# Allegro board 8880F5-0824_updates.brd (continued)
## Routing (per net, layer and track width the routed paths; a pad name or vN(x,y) marks a point on that pad's centre or on a via; arc(x,y) is an arc through that point) (continued)
; D306.A8 398.78,66.75 ; D306.A8 399.49,66.04 ; CSDPS225.B4 267.51,332.74 ; CSDPS225.B4 266.7,331.93 ; CSDPS225.B4 266.7,333.55 ; CSDPS225.B4 265.89,332.74 ; DPS3.C01 234.49,19.05 ; DPS3.C01 232.87,19.05 ; DPS3.C01 233.68,18.24 ; DPS3.C01 233.68,19.86 ; 252.15,186.43 SITE3.G20 ; SITE3.G20 253.11,186.43 ; SITE3.G20 252.63,185.95 ; SITE3.G20 252.63,186.91 ; CSDPS429.B8 183.69,342.9 ; CSDPS429.B8 182.88,342.09 ; CSDPS429.B8 182.88,343.71 ; CSDPS429.B8 182.07,342.9 ; 199.85,370.84 D231.B1 ; D231.B1 200.66,371.65 ; D231.B1 201.47,370.84 ; D231.B1 200.66,370.03 ; D231.A14 168.45,373.38 ; D231.A14 167.64,372.57 ; D231.A14 166.83,373.38 ; D231.A14 167.64,374.19 ; 19.51,40.64 D128.B4 ; D128.B4 21.13,40.64 ; D128.B4 20.32,41.45 ; D128.B4 20.32,39.83 ; D118.A8 178.61,76.2 ; D118.A8 176.99,76.2 ; D118.A8 177.8,77.01 ; D118.A8 177.8,75.39 ; D129.B1 87.17,99.06 ; D129.B1 85.55,99.06 ; D129.B1 86.36,98.25 ; D129.B1 86.36,99.87 ; 481.55,171.51 UNK4U2.4 ; UNK4U2.4 483.43,171.51 ; UNK4U2.4 482.49,170.56 ; UNK4U2.4 482.49,172.45 ; 314.15,388.62 D116.B14 ; D116.B14 314.96,387.81 ; D116.B14 315.77,388.62 ; D116.B14 314.96,389.43 ; 238.76,329.39 CSDPS225.C15 ; CSDPS225.C15 238.76,331.01 ; CSDPS225.C15 239.57,330.2 ; CSDPS225.C15 237.95,330.2 ; D302.A7 323.29,63.5 ; D302.A7 322.58,64.21 ; D302.A7 321.87,63.5 ; D302.A7 322.58,62.79 ; 185.42,77.93 D118.B11 ; D118.B11 185.42,79.55 ; D118.B11 184.61,78.74 ; D118.B11 186.23,78.74 ; D129.A9 106.68,94.79 ; D129.A9 107.49,93.98 ; D129.A9 106.68,93.17 ; D129.A9 105.87,93.98 ; SITE2.G5 332.33,241.81 ; SITE2.G5 332.81,241.33 ; SITE2.G5 332.33,240.85 ; SITE2.G5 331.85,241.33 ; 250.33,180.85 SITE3.G3 ; SITE3.G3 249.85,181.33 ; SITE3.G3 250.33,181.81 ; SITE3.G3 250.81,181.33 ; 194.87,63.5 D318.A15 ; D318.A15 195.58,64.21 ; D318.A15 195.58,62.79 ; D318.A15 196.29,63.5 ; 184.71,83.82 D317.A11 ; D317.A11 185.42,84.53 ; D317.A11 185.42,83.11 ; D317.A11 186.13,83.82 ; 162.56,80.47 D118.B2 ; D118.B2 163.37,81.28 ; D118.B2 161.75,81.28 ; D118.B2 162.56,82.09 ; 324.31,327.66 D113.B10 ; D113.B10 325.12,326.85 ; D113.B10 325.93,327.66 ; D113.B10 325.12,328.47 ; 91.44,57.61 D131.B3 ; D131.B3 92.25,58.42 ; D131.B3 90.63,58.42 ; D131.B3 91.44,59.23 ; 19.51,35.56 D128.A4 ; D128.A4 20.32,34.75 ; D128.A4 21.13,35.56 ; D128.A4 20.32,36.37 ; D102.A8 325.93,76.2 ; D102.A8 324.31,76.2 ; D102.A8 325.12,75.39 ; D102.A8 325.12,77.01 ; 321.77,78.74 D102.B7 ; D102.B7 323.39,78.74 ; D102.B7 322.58,79.55 ; D102.B7 322.58,77.93 ; 179.63,68.58 D318.B9 ; D318.B9 181.05,68.58 ; D318.B9 180.34,67.87 ; D318.B9 180.34,69.29 ; 164.29,58.42 D119.B3 ; D119.B3 165.1,57.61 ; D119.B3 165.1,59.23 ; D119.B3 165.91,58.42 ; SITE3.G7 248.33,188.41 ; SITE3.G7 248.33,187.45 ; SITE3.G7 247.85,187.93 ; SITE3.G7 248.81,187.93 ; D321.A1 234.39,83.82 ; D321.A1 233.68,83.11 ; D321.A1 232.97,83.82 ; D321.A1 233.68,84.53 ; 189.69,381 D431.B5 ; D431.B5 190.5,380.19 ; D431.B5 190.5,381.81 ; D431.B5 191.31,381 ; D114.B10 325.12,348.79 ; D114.B10 325.12,347.17 ; D114.B10 325.93,347.98 ; D114.B10 324.31,347.98 ; CSDPS229.C15 165.91,330.2 ; CSDPS229.C15 165.1,331.01 ; CSDPS229.C15 165.1,329.39 ; CSDPS229.C15 164.29,330.2 ; D119.B2 162.56,61.77 ; D119.B2 163.37,60.96 ; D119.B2 161.75,60.96 ; D119.B2 162.56,60.15 ; D301.A9 327.66,84.53 ; D301.A9 326.95,83.82 ; D301.A9 328.37,83.82 ; D301.A9 327.66,83.11 ; 410.67,38.1 D108.B13 ; D108.B13 412.29,38.1 ; D108.B13 411.48,37.29 ; D108.B13 411.48,38.91 ; D131.B9 106.68,59.23 ; D131.B9 105.87,58.42 ; D131.B9 107.49,58.42 ; D131.B9 106.68,57.61 ; 16.97,58.42 D127.B3 ; D127.B3 17.78,57.61 ; D127.B3 18.59,58.42 ; D127.B3 17.78,59.23 ; 271.78,55.07 D123.A16 ; D123.A16 270.97,55.88 ; D123.A16 272.59,55.88 ; D123.A16 271.78,56.69 ; D114.B2 345.44,348.79 ; D114.B2 345.44,347.17 ; D114.B2 344.63,347.98 ; D114.B2 346.25,347.98 ; 255.83,71.12 D322.B10 ; D322.B10 256.54,70.41 ; D322.B10 257.25,71.12 ; D322.B10 256.54,71.83 ; 93.17,96.52 D129.A4 ; D129.A4 94.79,96.52 ; D129.A4 93.98,95.71 ; D129.A4 93.98,97.33 ; D104.B4 314.96,41.45 ; D104.B4 314.96,39.83 ; D104.B4 315.77,40.64 ; D104.B4 314.15,40.64 ; D130.A13 116.84,74.47 ; D130.A13 116.03,73.66 ; D130.A13 117.65,73.66 ; D130.A13 116.84,72.85 ; D111.B15 386.08,371.65 ; D111.B15 386.08,370.03 ; D111.B15 385.27,370.84 ; D111.B15 386.89,370.84 ; D110.A10 398.78,353.87 ; D110.A10 397.97,353.06 ; D110.A10 398.78,352.25 ; D110.A10 399.59,353.06 ; 344.63,40.64 D104.B16 ; D104.B16 345.44,41.45 ; D104.B16 346.25,40.64 ; D104.B16 345.44,39.83 ; D124.A1 233.68,33.83 ; D124.A1 234.49,33.02 ; D124.A1 232.87,33.02 ; D124.A1 233.68,32.21 ; D126.B9 33.02,79.55 ; D126.B9 32.21,78.74 ; D126.B9 33.02,77.93 ; D126.B9 33.83,78.74 ; 264.16,329.39 CSDPS225.C5 ; CSDPS225.C5 263.35,330.2 ; CSDPS225.C5 264.16,331.01 ; CSDPS225.C5 264.97,330.2 ; SITE1.G3 250.33,241.81 ; SITE1.G3 249.85,241.33 ; SITE1.G3 250.33,240.85 ; SITE1.G3 250.81,241.33 ; D109.B2 419.1,328.47 ; D109.B2 419.1,326.85 ; D109.B2 419.91,327.66 ; D109.B2 418.29,327.66 ; 403.05,368.3 D111.B8 ; D111.B8 404.67,368.3 ; D111.B8 403.86,369.11 ; D111.B8 403.86,367.49 ; 335.28,65.33 D302.A12 ; D302.A12 335.99,66.04 ; D302.A12 335.28,66.75 ; D302.A12 334.57,66.04 ; SITE2.G12 333.33,248.41 ; SITE2.G12 333.33,247.45 ; SITE2.G12 332.85,247.93 ; SITE2.G12 333.81,247.93 ; CSDPS429.C3 195.58,341.17 ; CSDPS429.C3 194.77,340.36 ; CSDPS429.C3 195.58,339.55 ; CSDPS429.C3 196.39,340.36 ; 271.78,39.83 D124.B16 ; D124.B16 270.97,40.64 ; D124.B16 271.78,41.45 ; D124.B16 272.59,40.64 ; D120.B11 185.42,38.91 ; D120.B11 184.61,38.1 ; D120.B11 186.23,38.1 ; D120.B11 185.42,37.29 ; D306.A16 419.1,66.75 ; D306.A16 419.1,65.33 ; D306.A16 419.81,66.04 ; D306.A16 418.39,66.04 ; D318.B4 167.64,71.83 ; D318.B4 168.35,71.12 ; D318.B4 167.64,70.41 ; D318.B4 166.93,71.12 ; D122.A4 241.3,77.01 ; D122.A4 242.11,76.2 ; D122.A4 240.49,76.2 ; D122.A4 241.3,75.39 ; D104.A7 323.39,33.02 ; D104.A7 322.58,32.21 ; D104.A7 322.58,33.83 ; D104.A7 321.77,33.02 ; D128.A9 33.02,33.83 ; D128.A9 33.83,33.02 ; D128.A9 32.21,33.02 ; D128.A9 33.02,32.21 ; D125.A12 40.64,97.33 ; D125.A12 40.64,95.71 ; D125.A12 41.45,96.52 ; D125.A12 39.83,96.52 ; D107.A6 394.51,55.88 ; D107.A6 393.7,55.07 ; D107.A6 393.7,56.69 ; D107.A6 392.89,55.88 ; 419.1,90.73 D305.B16 ; D305.B16 419.1,92.15 ; D305.B16 418.39,91.44 ; D305.B16 419.81,91.44 ; D322.B11 259.08,69.29 ; D322.B11 258.37,68.58 ; D322.B11 259.79,68.58 ; D322.B11 259.08,67.87 ; 396.24,83.11 D305.A7 ; D305.A7 396.24,84.53 ; D305.A7 395.53,83.82 ; D305.A7 396.95,83.82 ; 330.2,85.65 D301.A10 ; D301.A10 329.49,86.36 ; D301.A10 330.2,87.07 ; D301.A10 330.91,86.36 ; 114.3,80.47 D130.B12 ; D130.B12 115.11,81.28 ; D130.B12 114.3,82.09 ; D130.B12 113.49,81.28 ; 245.67,66.04 D322.A6 ; D322.A6 246.38,66.75 ; D322.A6 246.38,65.33 ; D322.A6 247.09,66.04 ; D125.B5 22.86,99.87 ; D125.B5 22.05,99.06 ; D125.B5 22.86,98.25 ; D125.B5 23.67,99.06 ; D127.A2 16.05,55.88 ; D127.A2 14.43,55.88 ; D127.A2 15.24,55.07 ; D127.A2 15.24,56.69 ; D107.A10 404.67,55.88 ; D107.A10 403.86,55.07 ; D107.A10 403.86,56.69 ; D107.A10 403.05,55.88 ; D111.A16 384.35,373.38 ; D111.A16 382.73,373.38 ; D111.A16 383.54,374.19 ; D111.A16 383.54,372.57 ; 160.02,385.27 D431.A17 ; D431.A17 160.83,386.08 ; D431.A17 159.21,386.08 ; D431.A17 160.02,386.89 ; 320.04,55.07 D103.A6 ; D103.A6 320.04,56.69 ; D103.A6 320.85,55.88 ; D103.A6 319.23,55.88 ; D123.A6 247.19,55.88 ; D123.A6 246.38,55.07 ; D123.A6 246.38,56.69 ; D123.A6 245.57,55.88 ; D125.A3 17.78,94.79 ; D125.A3 17.78,93.17 ; D125.A3 16.97,93.98 ; D125.A3 18.59,93.98 ; D112.A14 389.43,393.7 ; D112.A14 387.81,393.7 ; D112.A14 388.62,392.89 ; D112.A14 388.62,394.51 ; D114.A13 317.5,356.41 ; D114.A13 317.5,354.79 ; D114.A13 316.69,355.6 ; D114.A13 318.31,355.6 ; D305.A16 419.1,87.07 ; D305.A16 419.1,85.65 ; D305.A16 419.81,86.36 ; D305.A16 418.39,86.36 ; D305.B14 414.02,92.15 ; D305.B14 414.02,90.73 ; D305.B14 414.73,91.44 ; D305.B14 413.31,91.44 ; D128.A1 12.7,33.83 ; D128.A1 11.89,33.02 ; D128.A1 13.51,33.02 ; D128.A1 12.7,32.21 ; 116.03,78.74 D130.B13 ; D130.B13 116.84,77.93 ; D130.B13 116.84,79.55 ; D130.B13 117.65,78.74 ; 179.53,53.34 D119.A9 ; D119.A9 181.15,53.34 ; D119.A9 180.34,52.53 ; D119.A9 180.34,54.15 ; 197.31,40.64 D120.B16 ; D120.B16 198.12,41.45 ; D120.B16 198.93,40.64 ; D120.B16 198.12,39.83 ; D321.B5 244.55,88.9 ; D321.B5 243.84,88.19 ; D321.B5 243.13,88.9 ; D321.B5 243.84,89.61 ; D306.A4 388.62,66.75 ; D306.A4 388.62,65.33 ; D306.A4 389.33,66.04 ; D306.A4 387.91,66.04 ; 345.44,367.49 D115.B2 ; D115.B2 346.25,368.3 ; D115.B2 344.63,368.3 ; D115.B2 345.44,369.11 ; D108.A13 411.48,33.83 ; D108.A13 412.29,33.02 ; D108.A13 410.67,33.02 ; D108.A13 411.48,32.21 ; D129.B2 88.9,102.41 ; D129.B2 88.09,101.6 ; D129.B2 88.9,100.79 ; D129.B2 89.71,101.6 ; 187.96,331.93 CSDPS229.B6 ; CSDPS229.B6 187.15,332.74 ; CSDPS229.B6 188.77,332.74 ; CSDPS229.B6 187.96,333.55 ; D102.B15 342.9,79.55 ; D102.B15 342.09,78.74 ; D102.B15 343.71,78.74 ; D102.B15 342.9,77.93 ; 311.61,391.16 D116.B15 ; D116.B15 313.23,391.16 ; D116.B15 312.42,390.35 ; D116.B15 312.42,391.97 ; 164.29,410.21 DPS8.C15 ; DPS8.C15 165.91,410.21 ; DPS8.C15 165.1,409.4 ; DPS8.C15 165.1,411.02 ; 243.84,52.53 D123.A5 ; D123.A5 243.03,53.34 ; D123.A5 243.84,54.15 ; D123.A5 244.65,53.34 ; 331.43,182.35 SITE4.G15 ; SITE4.G15 330.95,182.83 ; SITE4.G15 331.91,182.83 ; SITE4.G15 331.43,183.31 ; D123.B15 269.24,59.23 ; D123.B15 268.43,58.42 ; D123.B15 269.24,57.61 ; D123.B15 270.05,58.42 ; D106.B9 401.32,79.55 ; D106.B9 400.51,78.74 ; D106.B9 401.32,77.93 ; D106.B9 402.13,78.74 ; D109.A1 421.64,336.09 ; D109.A1 421.64,334.47 ; D109.A1 420.83,335.28 ; D109.A1 422.45,335.28 ; CSDPS425.B16 237.03,342.9 ; CSDPS425.B16 236.22,342.09 ; CSDPS425.B16 236.22,343.71 ; CSDPS425.B16 235.41,342.9 ; SITE4.G9 330.81,187.93 ; SITE4.G9 330.33,187.45 ; SITE4.G9 330.33,188.41 ; SITE4.G9 329.85,187.93 ; 165.1,88.19 D317.B3 ; D317.B3 165.1,89.61 ; D317.B3 164.39,88.9 ; D317.B3 165.81,88.9 ; 169.37,38.1 D120.B5 ; D120.B5 170.18,38.91 ; D120.B5 170.18,37.29 ; D120.B5 170.99,38.1 ; 401.32,370.03 D111.B9 ; D111.B9 400.51,370.84 ; D111.B9 401.32,371.65 ; D111.B9 402.13,370.84 ; D111.A5 412.29,375.92 ; D111.A5 411.48,376.73 ; D111.A5 411.48,375.11 ; D111.A5 410.67,375.92 ; 235.51,91.44 D321.B2 ; D321.B2 236.22,92.15 ; D321.B2 236.22,90.73 ; D321.B2 236.93,91.44 ; D115.A13 318.31,375.92 ; D115.A13 316.69,375.92 ; D115.A13 317.5,375.11 ; D115.A13 317.5,376.73 ; D131.B11 111.76,59.23 ; D131.B11 111.76,57.61 ; D131.B11 110.95,58.42 ; D131.B11 112.57,58.42 ; 307.34,83.11 D301.A1 ; D301.A1 308.05,83.82 ; D301.A1 306.63,83.82 ; D301.A1 307.34,84.53 ; D102.B10 331.01,81.28 ; D102.B10 329.39,81.28 ; D102.B10 330.2,80.47 ; D102.B10 330.2,82.09 ; 35.56,39.83 D128.B10 ; D128.B10 35.56,41.45 ; D128.B10 34.75,40.64 ; D128.B10 36.37,40.64 ; 383.54,34.75 D108.A2 ; D108.A2 382.73,35.56 ; D108.A2 383.54,36.37 ; D108.A2 384.35,35.56 ; D431.B2 198.93,378.46 ; D431.B2 197.31,378.46 ; D431.B2 198.12,377.65 ; D431.B2 198.12,379.27 ; 98.25,81.28 D130.B6 ; D130.B6 99.06,82.09 ; D130.B6 99.87,81.28 ; D130.B6 99.06,80.47 ; 311.61,396.24 D116.A15 ; D116.A15 312.42,395.43 ; D116.A15 313.23,396.24 ; D116.A15 312.42,397.05 ; SITE1.G4 251.33,241.81 ; SITE1.G4 250.85,241.33 ; SITE1.G4 251.81,241.33 ; SITE1.G4 251.33,240.85 ; 395.43,78.74 D106.B7 ; D106.B7 396.24,79.55 ; D106.B7 396.24,77.93 ; D106.B7 397.05,78.74 ; D130.B3 92.25,78.74 ; D130.B3 91.44,77.93 ; D130.B3 90.63,78.74 ; D130.B3 91.44,79.55 ; 160.02,37.29 D120.B1 ; D120.B1 160.83,38.1 ; D120.B1 160.02,38.91 ; D120.B1 159.21,38.1 ; 44.91,40.64 D128.B14 ; D128.B14 45.72,39.83 ; D128.B14 45.72,41.45 ; D128.B14 46.53,40.64 ; 49.99,55.88 D127.A16 ; D127.A16 50.8,56.69 ; D127.A16 50.8,55.07 ; D127.A16 51.61,55.88 ; D321.A2 236.93,86.36 ; D321.A2 235.51,86.36 ; D321.A2 236.22,87.07 ; D321.A2 236.22,85.65 ; 396.24,67.87 D306.B7 ; D306.B7 396.24,69.29 ; D306.B7 396.95,68.58 ; D306.B7 395.53,68.58 ; 387.91,71.12 D306.B4 ; D306.B4 388.62,70.41 ; D306.B4 388.62,71.83 ; D306.B4 389.33,71.12 ; 187.96,377.65 D431.B6 ; D431.B6 188.77,378.46 ; D431.B6 187.15,378.46 ; D431.B6 187.96,379.27 ; D317.B16 198.83,91.44 ; D317.B16 198.12,90.73 ; D317.B16 197.41,91.44 ; D317.B16 198.12,92.15 ; 198.12,367.49 D231.B2 ; D231.B2 198.12,369.11 ; D231.B2 198.93,368.3 ; D231.B2 197.31,368.3 ; 180.34,88.19 D317.B9 ; D317.B9 179.63,88.9 ; D317.B9 180.34,89.61 ; D317.B9 181.05,88.9 ; 380.19,78.74 D106.B1 ; D106.B1 381,77.93 ; D106.B1 381.81,78.74 ; D106.B1 381,79.55 ; D111.B5 412.29,370.84 ; D111.B5 411.48,370.03 ; D111.B5 411.48,371.65 ; D111.B5 410.67,370.84 ; D126.A2 15.24,77.01 ; D126.A2 14.43,76.2 ; D126.A2 16.05,76.2 ; D126.A2 15.24,75.39 ; D107.B13 412.29,58.42 ; D107.B13 411.48,57.61 ; D107.B13 410.67,58.42 ; D107.B13 411.48,59.23 ; 324.41,91.44 D301.B8 ; D301.B8 325.12,92.15 ; D301.B8 325.12,90.73 ; D301.B8 325.83,91.44 ; 180.34,375.11 D231.A9 ; D231.A9 180.34,376.73 ; D231.A9 179.53,375.92 ; D231.A9 181.15,375.92 ; SITE4.G10 331.81,187.93 ; SITE4.G10 331.33,187.45 ; SITE4.G10 330.85,187.93 ; SITE4.G10 331.33,188.41 ; 395.43,391.16 D112.B11 ; D112.B11 396.24,390.35 ; D112.B11 396.24,391.97 ; D112.B11 397.05,391.16 ; 35.56,100.79 D125.B10 ; D125.B10 36.37,101.6 ; D125.B10 35.56,102.41 ; D125.B10 34.75,101.6 ; D102.A7 322.58,74.47 ; D102.A7 323.39,73.66 ; D102.A7 321.77,73.66 ; D102.A7 322.58,72.85 ; 408.94,392.89 D112.A6 ; D112.A6 408.13,393.7 ; D112.A6 408.94,394.51 ; D112.A6 409.75,393.7 ; 111.76,37.29 D132.B11 ; D132.B11 111.76,38.91 ; D132.B11 110.95,38.1 ; D132.B11 112.57,38.1 ; CSDPS425.B8 257.35,342.9 ; CSDPS425.B8 256.54,343.71 ; CSDPS425.B8 255.73,342.9 ; CSDPS425.B8 256.54,342.09 ; D103.A3 313.23,53.34 ; D103.A3 311.61,53.34 ; D103.A3 312.42,52.53 ; D103.A3 312.42,54.15 ; 162.56,331.93 CSDPS229.B16 ; CSDPS229.B16 163.37,332.74 ; CSDPS229.B16 161.75,332.74 ; CSDPS229.B16 162.56,333.55 ; 182.88,55.07 D119.A10 ; D119.A10 182.07,55.88 ; D119.A10 183.69,55.88 ; D119.A10 182.88,56.69 ; 403.05,81.28 D106.B10 ; D106.B10 403.86,80.47 ; D106.B10 404.67,81.28 ; D106.B10 403.86,82.09 ; 258.27,58.42 D123.B11 ; D123.B11 259.08,59.23 ; D123.B11 259.08,57.61 ; D123.B11 259.89,58.42 ; D112.A3 416.56,397.05 ; D112.A3 416.56,395.43 ; D112.A3 415.75,396.24 ; D112.A3 417.37,396.24 ; D118.A13 191.31,73.66 ; D118.A13 189.69,73.66 ; D118.A13 190.5,74.47 ; D118.A13 190.5,72.85 ; 243.84,83.11 D321.A5 ; D321.A5 243.84,84.53 ; D321.A5 244.55,83.82 ; D321.A5 243.13,83.82 ; 88.09,96.52 D129.A2 ; D129.A2 88.9,95.71 ; D129.A2 89.71,96.52 ; D129.A2 88.9,97.33 ; 160.02,370.03 D231.B17 ; D231.B17 160.02,371.65 ; D231.B17 159.21,370.84 ; D231.B17 160.83,370.84 ; 393.7,90.73 D305.B6 ; D305.B6 392.99,91.44 ; D305.B6 394.41,91.44 ; D305.B6 393.7,92.15 ; 340.36,367.49 D115.B4 ; D115.B4 341.17,368.3 ; D115.B4 339.55,368.3 ; D115.B4 340.36,369.11 ; 104.14,80.47 D130.B8 ; D130.B8 104.95,81.28 ; D130.B8 104.14,82.09 ; D130.B8 103.33,81.28 ; D116.A13 317.5,397.05 ; D116.A13 316.69,396.24 ; D116.A13 318.31,396.24 ; D116.A13 317.5,395.43 ; D431.A12 172.72,384.35 ; D431.A12 172.72,382.73 ; D431.A12 173.53,383.54 ; D431.A12 171.91,383.54 ; D109.A6 409.75,332.74 ; D109.A6 408.13,332.74 ; D109.A6 408.94,333.55 ; D109.A6 408.94,331.93 ; D321.B1 234.39,88.9 ; D321.B1 233.68,89.61 ; D321.B1 233.68,88.19 ; D321.B1 232.97,88.9 ; CSDPS229.C9 180.34,331.01 ; CSDPS229.C9 179.53,330.2 ; CSDPS229.C9 180.34,329.39 ; CSDPS229.C9 181.15,330.2 ; 42.37,78.74 D126.B13 ; D126.B13 43.18,79.55 ; D126.B13 43.99,78.74 ; D126.B13 43.18,77.93 ; 316.79,68.58 D302.B5 ; D302.B5 317.5,67.87 ; D302.B5 317.5,69.29 ; D302.B5 318.21,68.58 ; D106.B15 416.56,79.55 ; D106.B15 415.75,78.74 ; D106.B15 416.56,77.93 ; D106.B15 417.37,78.74 ; 104.14,34.75 D132.A8 ; D132.A8 104.14,36.37 ; D132.A8 103.33,35.56 ; D132.A8 104.95,35.56 ; SITE4.G7 328.33,188.41 ; SITE4.G7 327.85,187.93 ; SITE4.G7 328.33,187.45 ; SITE4.G7 328.81,187.93 ; DPS1.C15 416.56,19.86 ; DPS1.C15 417.37,19.05 ; DPS1.C15 415.75,19.05 ; DPS1.C15 416.56,18.24 ; D301.B11 332.74,89.61 ; D301.B11 332.74,88.19 ; D301.B11 332.03,88.9 ; D301.B11 333.45,88.9 ; 34.75,55.88 D127.A10 ; D127.A10 35.56,55.07 ; D127.A10 36.37,55.88 ; D127.A10 35.56,56.69 ; D305.A2 383.54,87.07 ; D305.A2 383.54,85.65 ; D305.A2 382.83,86.36 ; D305.A2 384.25,86.36 ; D110.B2 419.91,347.98 ; D110.B2 418.29,347.98 ; D110.B2 419.1,347.17 ; D110.B2 419.1,348.79 ; D120.A16 198.12,36.37 ; D120.A16 197.31,35.56 ; D120.A16 198.12,34.75 ; D120.A16 198.93,35.56 ; D109.A3 417.37,335.28 ; D109.A3 415.75,335.28 ; D109.A3 416.56,334.47 ; D109.A3 416.56,336.09 ; D118.A12 188.77,76.2 ; D118.A12 187.15,76.2 ; D118.A12 187.96,77.01 ; D118.A12 187.96,75.39 ; 250.85,247.93 SITE1.G10 ; SITE1.G10 251.81,247.93 ; SITE1.G10 251.33,248.41 ; SITE1.G10 251.33,247.45 ; 328.85,247.93 SITE2.G8 ; SITE2.G8 329.81,247.93 ; SITE2.G8 329.33,247.45 ; SITE2.G8 329.33,248.41 ; SITE2.G2 329.33,241.81 ; SITE2.G2 329.81,241.33 ; SITE2.G2 328.85,241.33 ; SITE2.G2 329.33,240.85 ; 243.84,57.61 D123.B5 ; D123.B5 244.65,58.42 ; D123.B5 243.03,58.42 ; D123.B5 243.84,59.23 ; D116.B12 320.85,388.62 ; D116.B12 319.23,388.62 ; D116.B12 320.04,387.81 ; D116.B12 320.04,389.43 ; D131.A13 116.84,54.15 ; D131.A13 116.84,52.53 ; D131.A13 117.65,53.34 ; D131.A13 116.03,53.34 ; 408.13,40.64 D108.B12 ; D108.B12 408.94,41.45 ; D108.B12 409.75,40.64 ; D108.B12 408.94,39.83 ; 386.08,329.39 D109.B15 ; D109.B15 386.89,330.2 ; D109.B15 385.27,330.2 ; D109.B15 386.08,331.01 ; D103.B4 315.77,60.96 ; D103.B4 314.15,60.96 ; D103.B4 314.96,61.77 ; D103.B4 314.96,60.15 ; 331.93,355.6 D114.A7 ; D114.A7 332.74,354.79 ; D114.A7 332.74,356.41 ; D114.A7 333.55,355.6 ; 198.12,331.93 CSDPS229.B2 ; CSDPS229.B2 197.31,332.74 ; CSDPS229.B2 198.93,332.74 ; CSDPS229.B2 198.12,333.55 ; 193.04,65.33 D318.A14 ; D318.A14 192.33,66.04 ; D318.A14 193.04,66.75 ; D318.A14 193.75,66.04 ; D108.B15 417.37,38.1 ; D108.B15 416.56,38.91 ; D108.B15 415.75,38.1 ; D108.B15 416.56,37.29 ; 391.16,354.79 D110.A13 ; D110.A13 391.97,355.6 ; D110.A13 390.35,355.6 ; D110.A13 391.16,356.41 ; 312.42,62.79 D302.A3 ; D302.A3 312.42,64.21 ; D302.A3 311.71,63.5 ; D302.A3 313.13,63.5 ; D317.B2 162.56,92.15 ; D317.B2 161.85,91.44 ; D317.B2 162.56,90.73 ; D317.B2 163.27,91.44 ; D431.B11 175.26,381.81 ; D431.B11 175.26,380.19 ; D431.B11 174.45,381 ; D431.B11 176.07,381 ; D305.B10 403.86,92.15 ; D305.B10 403.86,90.73 ; D305.B10 404.57,91.44 ; D305.B10 403.15,91.44 ; 11.89,53.34 D127.A1 ; D127.A1 12.7,54.15 ; D127.A1 13.51,53.34 ; D127.A1 12.7,52.53 ; 264.16,37.29 D124.B13 ; D124.B13 263.35,38.1 ; D124.B13 264.97,38.1 ; D124.B13 264.16,38.91 ; 109.22,80.47 D130.B10 ; D130.B10 108.41,81.28 ; D130.B10 109.22,82.09 ; D130.B10 110.03,81.28 ; D116.B11 323.39,391.16 ; D116.B11 321.77,391.16 ; D116.B11 322.58,390.35 ; D116.B11 322.58,391.97 ; 342.9,375.11 D115.A3 ; D115.A3 343.71,375.92 ; D115.A3 342.9,376.73 ; D115.A3 342.09,375.92 ; 393.7,34.75 D108.A6 ; D108.A6 392.89,35.56 ; D108.A6 393.7,36.37 ; D108.A6 394.51,35.56 ; D111.B13 391.16,371.65 ; D111.B13 391.97,370.84 ; D111.B13 391.16,370.03 ; D111.B13 390.35,370.84 ; 179.53,386.08 D431.A9 ; D431.A9 180.34,386.89 ; D431.A9 180.34,385.27 ; D431.A9 181.15,386.08 ; D131.A15 121.92,54.15 ; D131.A15 121.11,53.34 ; D131.A15 121.92,52.53 ; D131.A15 122.73,53.34 ; 268.53,83.82 D321.A15 ; D321.A15 269.24,84.53 ; D321.A15 269.95,83.82 ; D321.A15 269.24,83.11 ; D102.A9 327.66,74.47 ; D102.A9 326.85,73.66 ; D102.A9 327.66,72.85 ; D102.A9 328.47,73.66 ; CSDPS225.B12 247.19,332.74 ; CSDPS225.B12 246.38,333.55 ; CSDPS225.B12 246.38,331.93 ; CSDPS225.B12 245.57,332.74 ; D113.B9 328.47,330.2 ; D113.B9 327.66,331.01 ; D113.B9 326.85,330.2 ; D113.B9 327.66,329.39 ; D123.A8 251.46,56.69 ; D123.A8 252.27,55.88 ; D123.A8 251.46,55.07 ; D123.A8 250.65,55.88 ; 334.47,393.7 D116.A6 ; D116.A6 336.09,393.7 ; D116.A6 335.28,392.89 ; D116.A6 335.28,394.51 ; D112.A12 393.7,394.51 ; D112.A12 393.7,392.89 ; D112.A12 394.51,393.7 ; D112.A12 392.89,393.7 ; D111.A3 417.37,375.92 ; D111.A3 415.75,375.92 ; D111.A3 416.56,375.11 ; D111.A3 416.56,376.73 ; 37.29,78.74 D126.B11 ; D126.B11 38.91,78.74 ; D126.B11 38.1,79.55 ; D126.B11 38.1,77.93 ; D318.B16 198.83,71.12 ; D318.B16 197.41,71.12 ; D318.B16 198.12,70.41 ; D318.B16 198.12,71.83 ; D104.A15 343.71,33.02 ; D104.A15 342.09,33.02 ; D104.A15 342.9,33.83 ; D104.A15 342.9,32.21 ; D125.A15 49.07,93.98 ; D125.A15 47.45,93.98 ; D125.A15 48.26,93.17 ; D125.A15 48.26,94.79 ; D431.A16 163.37,383.54 ; D431.A16 162.56,382.73 ; D431.A16 162.56,384.35 ; D431.A16 161.75,383.54 ; D131.A4 93.98,56.69 ; D131.A4 93.17,55.88 ; D131.A4 94.79,55.88 ; D131.A4 93.98,55.07 ; D306.B16 419.1,71.83 ; D306.B16 419.81,71.12 ; D306.B16 419.1,70.41 ; D306.B16 418.39,71.12 ; 319.23,327.66 D113.B12 ; D113.B12 320.04,326.85 ; D113.B12 320.04,328.47 ; D113.B12 320.85,327.66 ; D131.B12 115.11,60.96 ; D131.B12 113.49,60.96 ; D131.B12 114.3,61.77 ; D131.B12 114.3,60.15 ; D126.A7 27.94,74.47 ; D126.A7 27.94,72.85 ; D126.A7 28.75,73.66 ; D126.A7 27.13,73.66 ; D124.B6 246.38,41.45 ; D124.B6 246.38,39.83 ; D124.B6 247.19,40.64 ; D124.B6 245.57,40.64 ; 319.23,332.74 D113.A12 ; D113.A12 320.85,332.74 ; D113.A12 320.04,333.55 ; D113.A12 320.04,331.93 ; D132.B7 101.6,38.91 ; D132.B7 101.6,37.29 ; D132.B7 102.41,38.1 ; D132.B7 100.79,38.1 ; 11.89,78.74 D126.B1 ; D126.B1 12.7,79.55 ; D126.B1 13.51,78.74 ; D126.B1 12.7,77.93 ; D103.A4 315.77,55.88 ; D103.A4 314.96,55.07 ; D103.A4 314.96,56.69 ; D103.A4 314.15,55.88 ; 241.3,331.93 CSDPS225.B14 ; CSDPS225.B14 240.49,332.74 ; CSDPS225.B14 241.3,333.55 ; CSDPS225.B14 242.11,332.74 ; 327.66,395.43 D116.A9 ; D116.A9 327.66,397.05 ; D116.A9 328.47,396.24 ; D116.A9 326.85,396.24 ; D306.B11 407.11,68.58 ; D306.B11 406.4,69.29 ; D306.B11 406.4,67.87 ; D306.B11 405.69,68.58 ; 385.27,375.92 D111.A15 ; D111.A15 386.08,376.73 ; D111.A15 386.89,375.92 ; D111.A15 386.08,375.11 ; 192.23,383.54 D431.A4 ; D431.A4 193.04,382.73 ; D431.A4 193.85,383.54 ; D431.A4 193.04,384.35 ; D114.B4 340.36,348.79 ; D114.B4 339.55,347.98 ; D114.B4 340.36,347.17 ; D114.B4 341.17,347.98 ; D127.B7 27.94,59.23 ; D127.B7 28.75,58.42 ; D127.B7 27.13,58.42 ; D127.B7 27.94,57.61 ; 175.26,52.53 D119.A7 ; D119.A7 174.45,53.34 ; D119.A7 175.26,54.15 ; D119.A7 176.07,53.34 ; 166.83,378.46 D431.B14 ; D431.B14 167.64,377.65 ; D431.B14 167.64,379.27 ; D431.B14 168.45,378.46 ; 415.85,88.9 D305.B15 ; D305.B15 416.56,88.19 ; D305.B15 416.56,89.61 ; D305.B15 417.27,88.9 ; D302.B13 338.53,68.58 ; D302.B13 337.11,68.58 ; D302.B13 337.82,67.87 ; D302.B13 337.82,69.29 ; D318.A9 181.05,63.5 ; D318.A9 179.63,63.5 ; D318.A9 180.34,62.79 ; D318.A9 180.34,64.21 ; 232.97,68.58 D322.B1 ; D322.B1 233.68,69.29 ; D322.B1 233.68,67.87 ; D322.B1 234.39,68.58 ; D123.A4 242.11,55.88 ; D123.A4 241.3,56.69 ; D123.A4 240.49,55.88 ; D123.A4 241.3,55.07 ; 263.35,53.34 D123.A13 ; D123.A13 264.97,53.34 ; D123.A13 264.16,54.15 ; D123.A13 264.16,52.53 ; 161.75,378.46 D431.B16 ; D431.B16 162.56,379.27 ; D431.B16 163.37,378.46 ; D431.B16 162.56,377.65 ; 337.11,88.9 D301.B13 ; D301.B13 337.82,88.19 ; D301.B13 338.53,88.9 ; D301.B13 337.82,89.61 ; D110.B3 416.56,351.33 ; D110.B3 416.56,349.71 ; D110.B3 415.75,350.52 ; D110.B3 417.37,350.52 ; 251.33,180.85 SITE3.G4 ; SITE3.G4 251.33,181.81 ; SITE3.G4 251.81,181.33 ; SITE3.G4 250.85,181.33 ; D124.B5 243.84,38.91 ; D124.B5 243.03,38.1 ; D124.B5 244.65,38.1 ; D124.B5 243.84,37.29 ; DPS1.A11 407.21,13.97 ; DPS1.A11 406.4,14.78 ; DPS1.A11 406.4,13.16 ; DPS1.A11 405.59,13.97 ; 418.29,388.62 D112.B2 ; D112.B2 419.91,388.62 ; D112.B2 419.1,387.81 ; D112.B2 419.1,389.43 ; D115.B9 328.47,370.84 ; D115.B9 326.85,370.84 ; D115.B9 327.66,370.03 ; D115.B9 327.66,371.65 ; CSDPS229.C1 200.66,331.01 ; CSDPS229.C1 200.66,329.39 ; CSDPS229.C1 201.47,330.2 ; CSDPS229.C1 199.85,330.2 ; 261.62,70.41 D322.B12 ; D322.B12 260.91,71.12 ; D322.B12 261.62,71.83 ; D322.B12 262.33,71.12 ; D107.B2 383.54,61.77 ; D107.B2 382.73,60.96 ; D107.B2 384.35,60.96 ; D107.B2 383.54,60.15 ; 393.7,39.83 D108.B6 ; D108.B6 392.89,40.64 ; D108.B6 393.7,41.45 ; D108.B6 394.51,40.64 ; 44.91,35.56 D128.A14 ; D128.A14 45.72,36.37 ; D128.A14 45.72,34.75 ; D128.A14 46.53,35.56 ; 238.05,83.82 D321.A3 ; D321.A3 239.47,83.82 ; D321.A3 238.76,84.53 ; D321.A3 238.76,83.11 ; 266.7,39.83 D124.B14 ; D124.B14 265.89,40.64 ; D124.B14 267.51,40.64 ; D124.B14 266.7,41.45 ; 238.76,339.55 CSDPS425.C15 ; CSDPS425.C15 239.57,340.36 ; CSDPS425.C15 238.76,341.17 ; CSDPS425.C15 237.95,340.36 ; 388.62,331.93 D109.A14 ; D109.A14 387.81,332.74 ; D109.A14 389.43,332.74 ; 345.44,372.57 D115.A2 ; D115.A2 345.44,374.19 ; D115.A2 346.25,373.38 ; D115.A2 344.63,373.38 ; 345.44,70.41 D302.B16 ; D302.B16 346.15,71.12 ; D302.B16 344.73,71.12 ; D302.B16 345.44,71.83 ; 391.16,83.11 D305.A5 ; D305.A5 390.45,83.82 ; D305.A5 391.16,84.53 ; D305.A5 391.87,83.82 ; 405.59,38.1 D108.B11 ; D108.B11 406.4,38.91 ; D108.B11 406.4,37.29 ; D108.B11 407.21,38.1 ; 243.84,339.55 CSDPS425.C13 ; CSDPS425.C13 243.03,340.36 ; CSDPS425.C13 243.84,341.17 ; CSDPS425.C13 244.65,340.36 ; D231.A16 163.37,373.38 ; D231.A16 162.56,374.19 ; D231.A16 162.56,372.57 ; D231.A16 161.75,373.38 ; D123.A2 237.03,55.88 ; D123.A2 236.22,56.69 ; D123.A2 236.22,55.07 ; D123.A2 235.41,55.88 ; D112.B9 401.32,391.97 ; D112.B9 401.32,390.35 ; D112.B9 402.13,391.16 ; D112.B9 400.51,391.16 ; D111.B6 409.75,368.3 ; D111.B6 408.13,368.3 ; D111.B6 408.94,367.49 ; D111.B6 408.94,369.11 ; 264.16,83.11 D321.A13 ; D321.A13 264.16,84.53 ; D321.A13 263.45,83.82 ; D321.A13 264.87,83.82 ; D122.B6 247.19,81.28 ; D122.B6 246.38,82.09 ; D122.B6 246.38,80.47 ; D122.B6 245.57,81.28 ; 255.73,40.64 D124.B10 ; D124.B10 256.54,39.83 ; D124.B10 256.54,41.45 ; D124.B10 257.35,40.64 ; 321.77,58.42 D103.B7 ; D103.B7 322.58,59.23 ; D103.B7 323.39,58.42 ; D103.B7 322.58,57.61 ; D103.B6 320.04,61.77 ; D103.B6 320.85,60.96 ; D103.B6 320.04,60.15 ; D103.B6 319.23,60.96 ; DPS1.C05 391.16,19.86 ; DPS1.C05 391.16,18.24 ; DPS1.C05 390.35,19.05 ; DPS1.C05 391.97,19.05 ; D115.A1 348.79,375.92 ; D115.A1 347.98,375.11 ; D115.A1 347.98,376.73 ; D115.A1 347.17,375.92 ; SITE1.G5 252.81,241.33 ; SITE1.G5 252.33,240.85 ; SITE1.G5 252.33,241.81 ; SITE1.G5 251.85,241.33 ; 180.34,370.03 D231.B9 ; D231.B9 179.53,370.84 ; D231.B9 181.15,370.84 ; D231.B9 180.34,371.65 ; D110.A8 403.86,353.87 ; D110.A8 403.05,353.06 ; D110.A8 403.86,352.25 ; D110.A8 404.67,353.06 ; D111.A2 419.1,374.19 ; D111.A2 419.91,373.38 ; D111.A2 418.29,373.38 ; D111.A2 419.1,372.57 ; D109.A11 396.24,336.09 ; D109.A11 397.05,335.28 ; D109.A11 396.24,334.47 ; D109.A11 395.43,335.28 ; D115.B10 325.12,369.11 ; D115.B10 325.12,367.49 ; D115.B10 325.93,368.3 ; D115.B10 324.31,368.3 ; 316.69,370.84 D115.B13 ; D115.B13 318.31,370.84 ; D115.B13 317.5,370.03 ; D115.B13 317.5,371.65 ; 339.65,91.44 D301.B14 ; D301.B14 340.36,92.15 ; D301.B14 340.36,90.73 ; D301.B14 341.07,91.44 ; 327.66,32.21 D104.A9 ; D104.A9 326.85,33.02 ; D104.A9 328.47,33.02 ; D104.A9 327.66,33.83 ; 160.02,57.61 D119.B1 ; D119.B1 160.02,59.23 ; D119.B1 160.83,58.42 ; D119.B1 159.21,58.42 ; 200.66,380.19 D431.B1 ; D431.B1 201.47,381 ; D431.B1 200.66,381.81 ; D431.B1 199.85,381 ; D132.A4 93.98,36.37 ; D132.A4 94.79,35.56 ; D132.A4 93.17,35.56 ; D132.A4 93.98,34.75 ; D113.B3 343.71,330.2 ; D113.B3 342.09,330.2 ; D113.B3 342.9,331.01 ; 160.02,375.11 D231.A17 ; D231.A17 160.83,375.92 ; D231.A17 159.21,375.92 ; D231.A17 160.02,376.73 ; 93.17,40.64 D132.B4 ; D132.B4 93.98,39.83 ; D132.B4 94.79,40.64 ; D132.B4 93.98,41.45 ; D305.B9 402.03,88.9 ; D305.B9 401.32,89.61 ; D305.B9 400.61,88.9 ; D305.B9 401.32,88.19 ; 98.25,35.56 D132.A6 ; D132.A6 99.06,36.37 ; D132.A6 99.87,35.56 ; D132.A6 99.06,34.75 ; 339.55,81.28 D102.B14 ; D102.B14 340.36,82.09 ; D102.B14 340.36,80.47 ; D102.B14 341.17,81.28 ; D107.A15 417.37,53.34 ; D107.A15 415.75,53.34 ; D107.A15 416.56,54.15 ; D107.A15 416.56,52.53 ; D231.B4 193.04,369.11 ; D231.B4 192.23,368.3 ; D231.B4 193.85,368.3 ; D231.B4 193.04,367.49 ; 182.07,373.38 D231.A8 ; D231.A8 182.88,374.19 ; D231.A8 183.69,373.38 ; D231.A8 182.88,372.57 ; D106.A4 388.62,77.01 ; D106.A4 387.81,76.2 ; D106.A4 389.43,76.2 ; D106.A4 388.62,75.39 ; D129.A5 96.52,94.79 ; D129.A5 96.52,93.17 ; D129.A5 95.71,93.98 ; D129.A5 97.33,93.98 ; D109.B10 399.59,327.66 ; D109.B10 398.78,326.85 ; D109.B10 398.78,328.47 ; D109.B10 397.97,327.66 ; 387.81,55.88 D107.A4 ; D107.A4 389.43,55.88 ; D107.A4 388.62,55.07 ; D107.A4 388.62,56.69 ; D132.B5 97.33,38.1 ; D132.B5 96.52,38.91 ; D132.B5 95.71,38.1 ; D132.B5 96.52,37.29 ; 254,32.21 D124.A9 ; D124.A9 253.19,33.02 ; D124.A9 254,33.83 ; D124.A9 254.81,33.02 ; D106.A9 402.13,73.66 ; D106.A9 401.32,72.85 ; D106.A9 401.32,74.47 ; D106.A9 400.51,73.66 ; D322.B15 269.95,68.58 ; D322.B15 269.24,67.87 ; D322.B15 269.24,69.29 ; D322.B15 268.53,68.58 ; 182.07,368.3 D231.B8 ; D231.B8 183.69,368.3 ; D231.B8 182.88,369.11 ; D231.B8 182.88,367.49 ; 161.75,342.9 CSDPS429.B16 ; CSDPS429.B16 162.56,343.71 ; CSDPS429.B16 163.37,342.9 ; CSDPS429.B16 162.56,342.09 ; 344.63,332.74 D113.A2 ; D113.A2 346.25,332.74 ; D113.A2 345.44,331.93 ; D113.A2 345.44,333.55 ; 309.07,368.3 D115.B16 ; D115.B16 309.88,369.11 ; D115.B16 309.88,367.49 ; D115.B16 310.69,368.3 ; D108.A7 397.05,33.02 ; D108.A7 395.43,33.02 ; D108.A7 396.24,32.21 ; D108.A7 396.24,33.83 ; D118.A11 185.42,74.47 ; D118.A11 185.42,72.85 ; D118.A11 184.61,73.66 ; D118.A11 186.23,73.66 ; D118.A15 195.58,74.47 ; D118.A15 196.39,73.66 ; D118.A15 195.58,72.85 ; D118.A15 194.77,73.66 ; D126.B4 21.13,81.28 ; D126.B4 19.51,81.28 ; D126.B4 20.32,80.47 ; D126.B4 20.32,82.09 ; 30.48,95.71 D125.A8 ; D125.A8 31.29,96.52 ; D125.A8 30.48,97.33 ; D125.A8 29.67,96.52 ; 327.85,181.33 SITE4.G1 ; SITE4.G1 328.33,180.85 ; SITE4.G1 328.33,181.81 ; SITE4.G1 328.81,181.33 ; 307.34,52.53 D103.A1 ; D103.A1 306.53,53.34 ; D103.A1 308.15,53.34 ; D103.A1 307.34,54.15 ; 330.33,247.45 SITE2.G9 ; SITE2.G9 330.81,247.93 ; SITE2.G9 330.33,248.41 ; SITE2.G9 329.85,247.93 ; D104.A12 336.09,35.56 ; D104.A12 335.28,34.75 ; D104.A12 334.47,35.56 ; D104.A12 335.28,36.37 ; 332.03,68.58 D302.B11 ; D302.B11 333.45,68.58 ; D302.B11 332.74,69.29 ; D302.B11 332.74,67.87 ; D127.B15 49.07,58.42 ; D127.B15 47.45,58.42 ; D127.B15 48.26,57.61 ; D127.B15 48.26,59.23 ; D305.B5 391.87,88.9 ; D305.B5 391.16,88.19 ; D305.B5 391.16,89.61 ; D305.B5 390.45,88.9 ; 416.56,62.79 D306.A15 ; D306.A15 417.27,63.5 ; D306.A15 415.85,63.5 ; D306.A15 416.56,64.21 ; 411.48,329.39 D109.B5 ; D109.B5 412.29,330.2 ; D109.B5 411.48,331.01 ; D109.B5 410.67,330.2 ; D128.B1 13.51,38.1 ; D128.B1 12.7,38.91 ; D128.B1 11.89,38.1 ; D128.B1 12.7,37.29 ; 330.85,181.33 SITE4.G4 ; SITE4.G4 331.33,181.81 ; SITE4.G4 331.33,180.85 ; SITE4.G4 331.81,181.33 ; 189.69,78.74 D118.B13 ; D118.B13 191.31,78.74 ; D118.B13 190.5,77.93 ; D118.B13 190.5,79.55 ; 481.65,228.55 UNK2U1.4 ; UNK2U1.4 483.53,228.55 ; UNK2U1.4 482.59,229.49 ; UNK2U1.4 482.59,227.61 ; 187.96,90.73 D317.B12 ; D317.B12 187.25,91.44 ; D317.B12 188.67,91.44 ; D317.B12 187.96,92.15 ; 398.78,392.89 D112.A10 ; D112.A10 399.59,393.7 ; D112.A10 398.78,394.51 ; D112.A10 397.97,393.7 ; 172.72,367.49 D231.B12 ; D231.B12 171.91,368.3 ; D231.B12 173.53,368.3 ; D231.B12 172.72,369.11 ; 263.35,78.74 D122.B13 ; D122.B13 264.97,78.74 ; D122.B13 264.16,79.55 ; D122.B13 264.16,77.93 ; D120.B12 188.77,40.64 ; D120.B12 187.15,40.64 ; D120.B12 187.96,41.45 ; D120.B12 187.96,39.83 ; 322.58,88.19 D301.B7 ; D301.B7 323.29,88.9 ; D301.B7 322.58,89.61 ; D301.B7 321.87,88.9 ; 16.97,73.66 D126.A3 ; D126.A3 18.59,73.66 ; D126.A3 17.78,74.47 ; D126.A3 17.78,72.85 ; D115.B3 343.71,370.84 ; D115.B3 342.09,370.84 ; D115.B3 342.9,371.65 ; D115.B3 342.9,370.03 ; D322.B13 264.87,68.58 ; D322.B13 263.45,68.58 ; D322.B13 264.16,69.29 ; D322.B13 264.16,67.87 ; 172.72,60.15 D119.B6 ; D119.B6 172.72,61.77 ; D119.B6 173.53,60.96 ; D119.B6 171.91,60.96 ; D125.A1 13.51,93.98 ; D125.A1 12.7,93.17 ; D125.A1 11.89,93.98 ; D125.A1 12.7,94.79 ; 187.96,60.15 D119.B12 ; D119.B12 188.77,60.96 ; D119.B12 187.15,60.96 ; D119.B12 187.96,61.77 ; 411.48,67.87 D306.B13 ; D306.B13 412.19,68.58 ; D306.B13 411.48,69.29 ; D306.B13 410.77,68.58 ; 325.12,352.25 D114.A10 ; D114.A10 325.12,353.87 ; D114.A10 325.93,353.06 ; D114.A10 324.31,353.06 ; D113.A5 338.63,335.28 ; D113.A5 337.01,335.28 ; D113.A5 337.82,336.09 ; D113.A5 337.82,334.47 ; 332.03,83.82 D301.A11 ; D301.A11 332.74,84.53 ; D301.A11 333.45,83.82 ; D301.A11 332.74,83.11 ; D110.B15 386.08,351.33 ; D110.B15 386.89,350.52 ; D110.B15 386.08,349.71 ; D110.B15 385.27,350.52 ; 386.08,83.11 D305.A3 ; D305.A3 386.79,83.82 ; D305.A3 386.08,84.53 ; D305.A3 385.37,83.82 ; 49.99,96.52 D125.A16 ; D125.A16 51.61,96.52 ; D125.A16 50.8,97.33 ; D125.A16 50.8,95.71 ; D302.A15 343.61,63.5 ; D302.A15 342.9,62.79 ; D302.A15 342.19,63.5 ; D302.A15 342.9,64.21 ; D111.B10 398.78,369.11 ; D111.B10 398.78,367.49 ; D111.B10 399.59,368.3 ; D111.B10 397.97,368.3 ; 260.81,40.64 D124.B12 ; D124.B12 262.43,40.64 ; D124.B12 261.62,41.45 ; D124.B12 261.62,39.83 ; D322.B3 238.76,69.29 ; D322.B3 239.47,68.58 ; D322.B3 238.05,68.58 ; D322.B3 238.76,67.87 ; D112.B5 412.29,391.16 ; D112.B5 411.48,391.97 ; D112.B5 410.67,391.16 ; D112.B5 411.48,390.35 ; 246.38,342.09 CSDPS425.B12 ; CSDPS425.B12 245.57,342.9 ; CSDPS425.B12 246.38,343.71 ; CSDPS425.B12 247.19,342.9 ; 347.98,334.47 D113.A1 ; D113.A1 347.98,336.09 ; D113.A1 348.79,335.28 ; D113.A1 347.17,335.28 ; 337.82,354.79 D114.A5 ; D114.A5 338.63,355.6 ; D114.A5 337.01,355.6 ; D114.A5 337.82,356.41 ; 90.63,38.1 D132.B3 ; D132.B3 92.25,38.1 ; D132.B3 91.44,37.29 ; D132.B3 91.44,38.91 ; 421.64,349.71 D110.B1 ; D110.B1 422.45,350.52 ; D110.B1 420.83,350.52 ; D110.B1 421.64,351.33 ; 332.74,37.29 D104.B11 ; D104.B11 331.93,38.1 ; D104.B11 333.55,38.1 ; D104.B11 332.74,38.91 ; D306.B6 394.41,71.12 ; D306.B6 392.99,71.12 ; D306.B6 393.7,71.83 ; D306.B6 393.7,70.41 ; D129.A14 120.19,96.52 ; D129.A14 118.57,96.52 ; D129.A14 119.38,97.33 ; D114.A1 348.79,355.6 ; D114.A1 347.98,356.41 ; D114.A1 347.98,354.79 ; D114.A1 347.17,355.6 ; 406.4,88.19 D305.B11 ; D305.B11 406.4,89.61 ; D305.B11 407.11,88.9 ; D305.B11 405.69,88.9 ; 259.08,83.11 D321.A11 ; D321.A11 258.37,83.82 ; D321.A11 259.79,83.82 ; D321.A11 259.08,84.53 ; D109.B1 422.45,330.2 ; D109.B1 421.64,331.01 ; D109.B1 421.64,329.39 ; D109.B1 420.83,330.2 ; 419.1,34.75 D108.A16 ; D108.A16 418.29,35.56 ; D108.A16 419.1,36.37 ; D108.A16 419.91,35.56 ; D120.B15 195.58,38.91 ; D120.B15 195.58,37.29 ; D120.B15 196.39,38.1 ; D120.B15 194.77,38.1 ; 337.82,37.29 D104.B13 ; D104.B13 338.63,38.1 ; D104.B13 337.82,38.91 ; D104.B13 337.01,38.1 ; D108.A8 399.59,35.56 ; D108.A8 398.78,36.37 ; D108.A8 397.97,35.56 ; D108.A8 398.78,34.75 ; D318.A2 163.27,66.04 ; D318.A2 161.85,66.04 ; D318.A2 162.56,66.75 ; D318.A2 162.56,65.33 ; 380.29,68.58 D306.B1 ; D306.B1 381.71,68.58 ; D306.B1 381,67.87 ; D306.B1 381,69.29 ; SITE1.G19 251.91,246.43 ; SITE1.G19 251.43,245.95 ; SITE1.G19 251.43,246.91 ; SITE1.G19 250.95,246.43 ; SITE2.G13 329.51,242.83 ; SITE2.G13 328.55,242.83 ; SITE2.G13 329.03,242.35 ; SITE2.G13 329.03,243.31 ; 328.55,186.43 SITE4.G17 ; SITE4.G17 329.03,185.95 ; SITE4.G17 329.51,186.43 ; SITE4.G17 329.03,186.91 ; D109.B7 406.4,331.01 ; D109.B7 405.59,330.2 ; D109.B7 407.21,330.2 ; D109.B7 406.4,329.39 ; D110.B6 409.75,347.98 ; D110.B6 408.13,347.98 ; D110.B6 408.94,347.17 ; D110.B6 408.94,348.79 ; D124.A2 236.22,36.37 ; D124.A2 237.03,35.56 ; D124.A2 236.22,34.75 ; D124.A2 235.41,35.56 ; SITE3.G17 249.03,186.91 ; SITE3.G17 248.55,186.43 ; SITE3.G17 249.03,185.95 ; SITE3.G17 249.51,186.43 ; D126.A13 43.99,73.66 ; D126.A13 42.37,73.66 ; D126.A13 43.18,74.47 ; D126.A13 43.18,72.85 ; 314.96,90.73 D301.B4 ; D301.B4 314.25,91.44 ; D301.B4 314.96,92.15 ; D301.B4 315.67,91.44 ; 326.85,375.92 D115.A9 ; D115.A9 327.66,375.11 ; D115.A9 328.47,375.92 ; D115.A9 327.66,376.73 ; D317.A15 196.29,83.82 ; D317.A15 195.58,83.11 ; D317.A15 194.87,83.82 ; D317.A15 195.58,84.53 ; D302.A8 325.12,66.75 ; D302.A8 325.12,65.33 ; D302.A8 324.41,66.04 ; D302.A8 325.83,66.04 ; 176.99,332.74 CSDPS229.B10 ; CSDPS229.B10 178.61,332.74 ; CSDPS229.B10 177.8,333.55 ; CSDPS229.B10 177.8,331.93 ; 22.86,93.17 D125.A5 ; D125.A5 22.86,94.79 ; D125.A5 23.67,93.98 ; D125.A5 22.05,93.98 ; 119.38,39.83 D132.B14 ; D132.B14 120.19,40.64 ; D132.B14 119.38,41.45 ; D132.B14 118.57,40.64 ; SITE1.G2 249.81,241.33 ; SITE1.G2 249.33,240.85 ; SITE1.G2 248.85,241.33 ; SITE1.G2 249.33,241.81 ; SITE2.G19 331.91,246.43 ; SITE2.G19 331.43,246.91 ; SITE2.G19 331.43,245.95 ; SITE2.G19 330.95,246.43 ; D317.B5 170.89,88.9 ; D317.B5 169.47,88.9 ; D317.B5 170.18,88.19 ; D317.B5 170.18,89.61 ; SITE2.G4 331.81,241.33 ; SITE2.G4 331.33,241.81 ; SITE2.G4 330.85,241.33 ; SITE2.G4 331.33,240.85 ; SITE4.G11 332.81,187.93 ; SITE4.G11 332.33,188.41 ; SITE4.G11 332.33,187.45 ; SITE4.G11 331.85,187.93 ; 189.69,375.92 D231.A5 ; D231.A5 190.5,376.73 ; D231.A5 191.31,375.92 ; D231.A5 190.5,375.11 ; D130.B11 111.76,79.55 ; D130.B11 110.95,78.74 ; D130.B11 111.76,77.93 ; D130.B11 112.57,78.74 ; 109.22,100.79 D129.B10 ; D129.B10 110.03,101.6 ; D129.B10 108.41,101.6 ; D129.B10 109.22,102.41 ; D318.B3 165.81,68.58 ; D318.B3 165.1,67.87 ; D318.B3 165.1,69.29 ; D318.B3 164.39,68.58 ; 101.6,57.61 D131.B7 ; D131.B7 100.79,58.42 ; D131.B7 101.6,59.23 ; D131.B7 102.41,58.42 ; 518.92,202.51 S4_I2C.4 ; S4_I2C.4 517.98,203.45 ; S4_I2C.4 519.86,203.45 ; S4_I2C.4 518.92,204.39 ; D321.B10 256.54,92.15 ; D321.B10 257.25,91.44 ; D321.B10 256.54,90.73 ; D321.B10 255.83,91.44 ; SITE1.G20 253.11,246.43 ; SITE1.G20 252.63,245.95 ; SITE1.G20 252.63,246.91 ; SITE1.G20 252.15,246.43 ; D122.B12 261.62,82.09 ; D122.B12 261.62,80.47 ; D122.B12 262.43,81.28 ; D122.B12 260.81,81.28 ; 347.17,396.24 D116.A1 ; D116.A1 347.98,395.43 ; D116.A1 348.79,396.24 ; D116.A1 347.98,397.05 ; 342.9,354.79 D114.A3 ; D114.A3 342.09,355.6 ; D114.A3 343.71,355.6 ; D114.A3 342.9,356.41 ; 174.45,58.42 D119.B7 ; D119.B7 175.26,57.61 ; D119.B7 175.26,59.23 ; D119.B7 176.07,58.42 ; 331.85,247.93 SITE2.G11 ; SITE2.G11 332.81,247.93 ; SITE2.G11 332.33,247.45 ; SITE2.G11 332.33,248.41 ; 397.97,76.2 D106.A8 ; D106.A8 398.78,77.01 ; D106.A8 399.59,76.2 ; D106.A8 398.78,75.39 ; D111.A1 422.45,375.92 ; D111.A1 421.64,375.11 ; D111.A1 421.64,376.73 ; D111.A1 420.83,375.92 ; D119.B4 167.64,61.77 ; D119.B4 167.64,60.15 ; D119.B4 168.45,60.96 ; D119.B4 166.83,60.96 ; D130.A14 119.38,77.01 ; D130.A14 119.38,75.39 ; D130.A14 118.57,76.2 ; D130.A14 120.19,76.2 ; CSDPS425.B14 242.11,342.9 ; CSDPS425.B14 241.3,342.09 ; CSDPS425.B14 240.49,342.9 ; CSDPS425.B14 241.3,343.71 ; 248.21,83.82 D321.A7 ; D321.A7 249.63,83.82 ; D321.A7 248.92,83.11 ; D321.A7 248.92,84.53 ; D111.A11 396.24,376.73 ; D111.A11 395.43,375.92 ; D111.A11 397.05,375.92 ; D111.A11 396.24,375.11 ; 192.23,55.88 D119.A14 ; D119.A14 193.85,55.88 ; D119.A14 193.04,56.69 ; D119.A14 193.04,55.07 ; 97.4,174.52 UNK3U2.4 ; UNK3U2.4 96.46,175.46 ; UNK3U2.4 98.34,175.46 ; UNK3U2.4 97.4,176.4 ; D110.B14 388.62,348.79 ; D110.B14 388.62,347.17 ; D110.B14 389.43,347.98 ; D110.B14 387.81,347.98 ; CSDPS429.B4 193.85,342.9 ; CSDPS429.B4 192.23,342.9 ; CSDPS429.B4 193.04,343.71 ; CSDPS429.B4 193.04,342.09 ; 195.58,88.19 D317.B15 ; D317.B15 195.58,89.61 ; D317.B15 194.87,88.9 ; D317.B15 196.29,88.9 ; CSDPS225.B6 261.62,333.55 ; CSDPS225.B6 261.62,331.93 ; CSDPS225.B6 262.43,332.74 ; CSDPS225.B6 260.81,332.74 ; 391.16,13.16 DPS1.A05 ; DPS1.A05 391.16,14.78 ; DPS1.A05 391.97,13.97 ; DPS1.A05 390.35,13.97 ; D122.B2 237.03,81.28 ; D122.B2 236.22,82.09 ; D122.B2 235.41,81.28 ; D122.B2 236.22,80.47 ; 233.68,13.16 DPS3.A01 ; DPS3.A01 234.49,13.97 ; DPS3.A01 232.87,13.97 ; DPS3.A01 233.68,14.78 ; D109.A4 414.83,332.74 ; D109.A4 413.21,332.74 ; D109.A4 414.02,331.93 ; D109.A4 414.02,333.55 ; D322.B5 244.55,68.58 ; D322.B5 243.84,69.29 ; D322.B5 243.13,68.58 ; D322.B5 243.84,67.87 ; D322.B9 254,69.29 ; D322.B9 254,67.87 ; D322.B9 253.29,68.58 ; D322.B9 254.71,68.58 ; D129.A15 121.92,94.79 ; D129.A15 121.11,93.98 ; D129.A15 121.92,93.17 ; D129.A15 122.73,93.98 ; 316.79,83.82 D301.A5 ; D301.A5 318.21,83.82 ; D301.A5 317.5,84.53 ; D301.A5 317.5,83.11 ; D102.B6 320.04,82.09 ; D102.B6 320.04,80.47 ; D102.B6 319.23,81.28 ; D102.B6 320.85,81.28 ; D115.A8 330.2,374.19 ; D115.A8 329.39,373.38 ; D115.A8 331.01,373.38 ; D115.A8 330.2,372.57 ; D125.A9 